# Altium PCB PCB.PcbDoc (part 2 of 2)
Units mm, origin at the board's own origin, x right, y up, seen from the top; angles counter-clockwise.
Board outline 56.6 x 58.94 mm, 4 copper layers (Top Layer, MiddleTop Layer, MiddleBottom Layer, Bottom Layer), stack 0.603 mm thick; 178 components, 110 nets, 595 pads, 660 vias.
Unrouted connection lines stored in the file: 2.
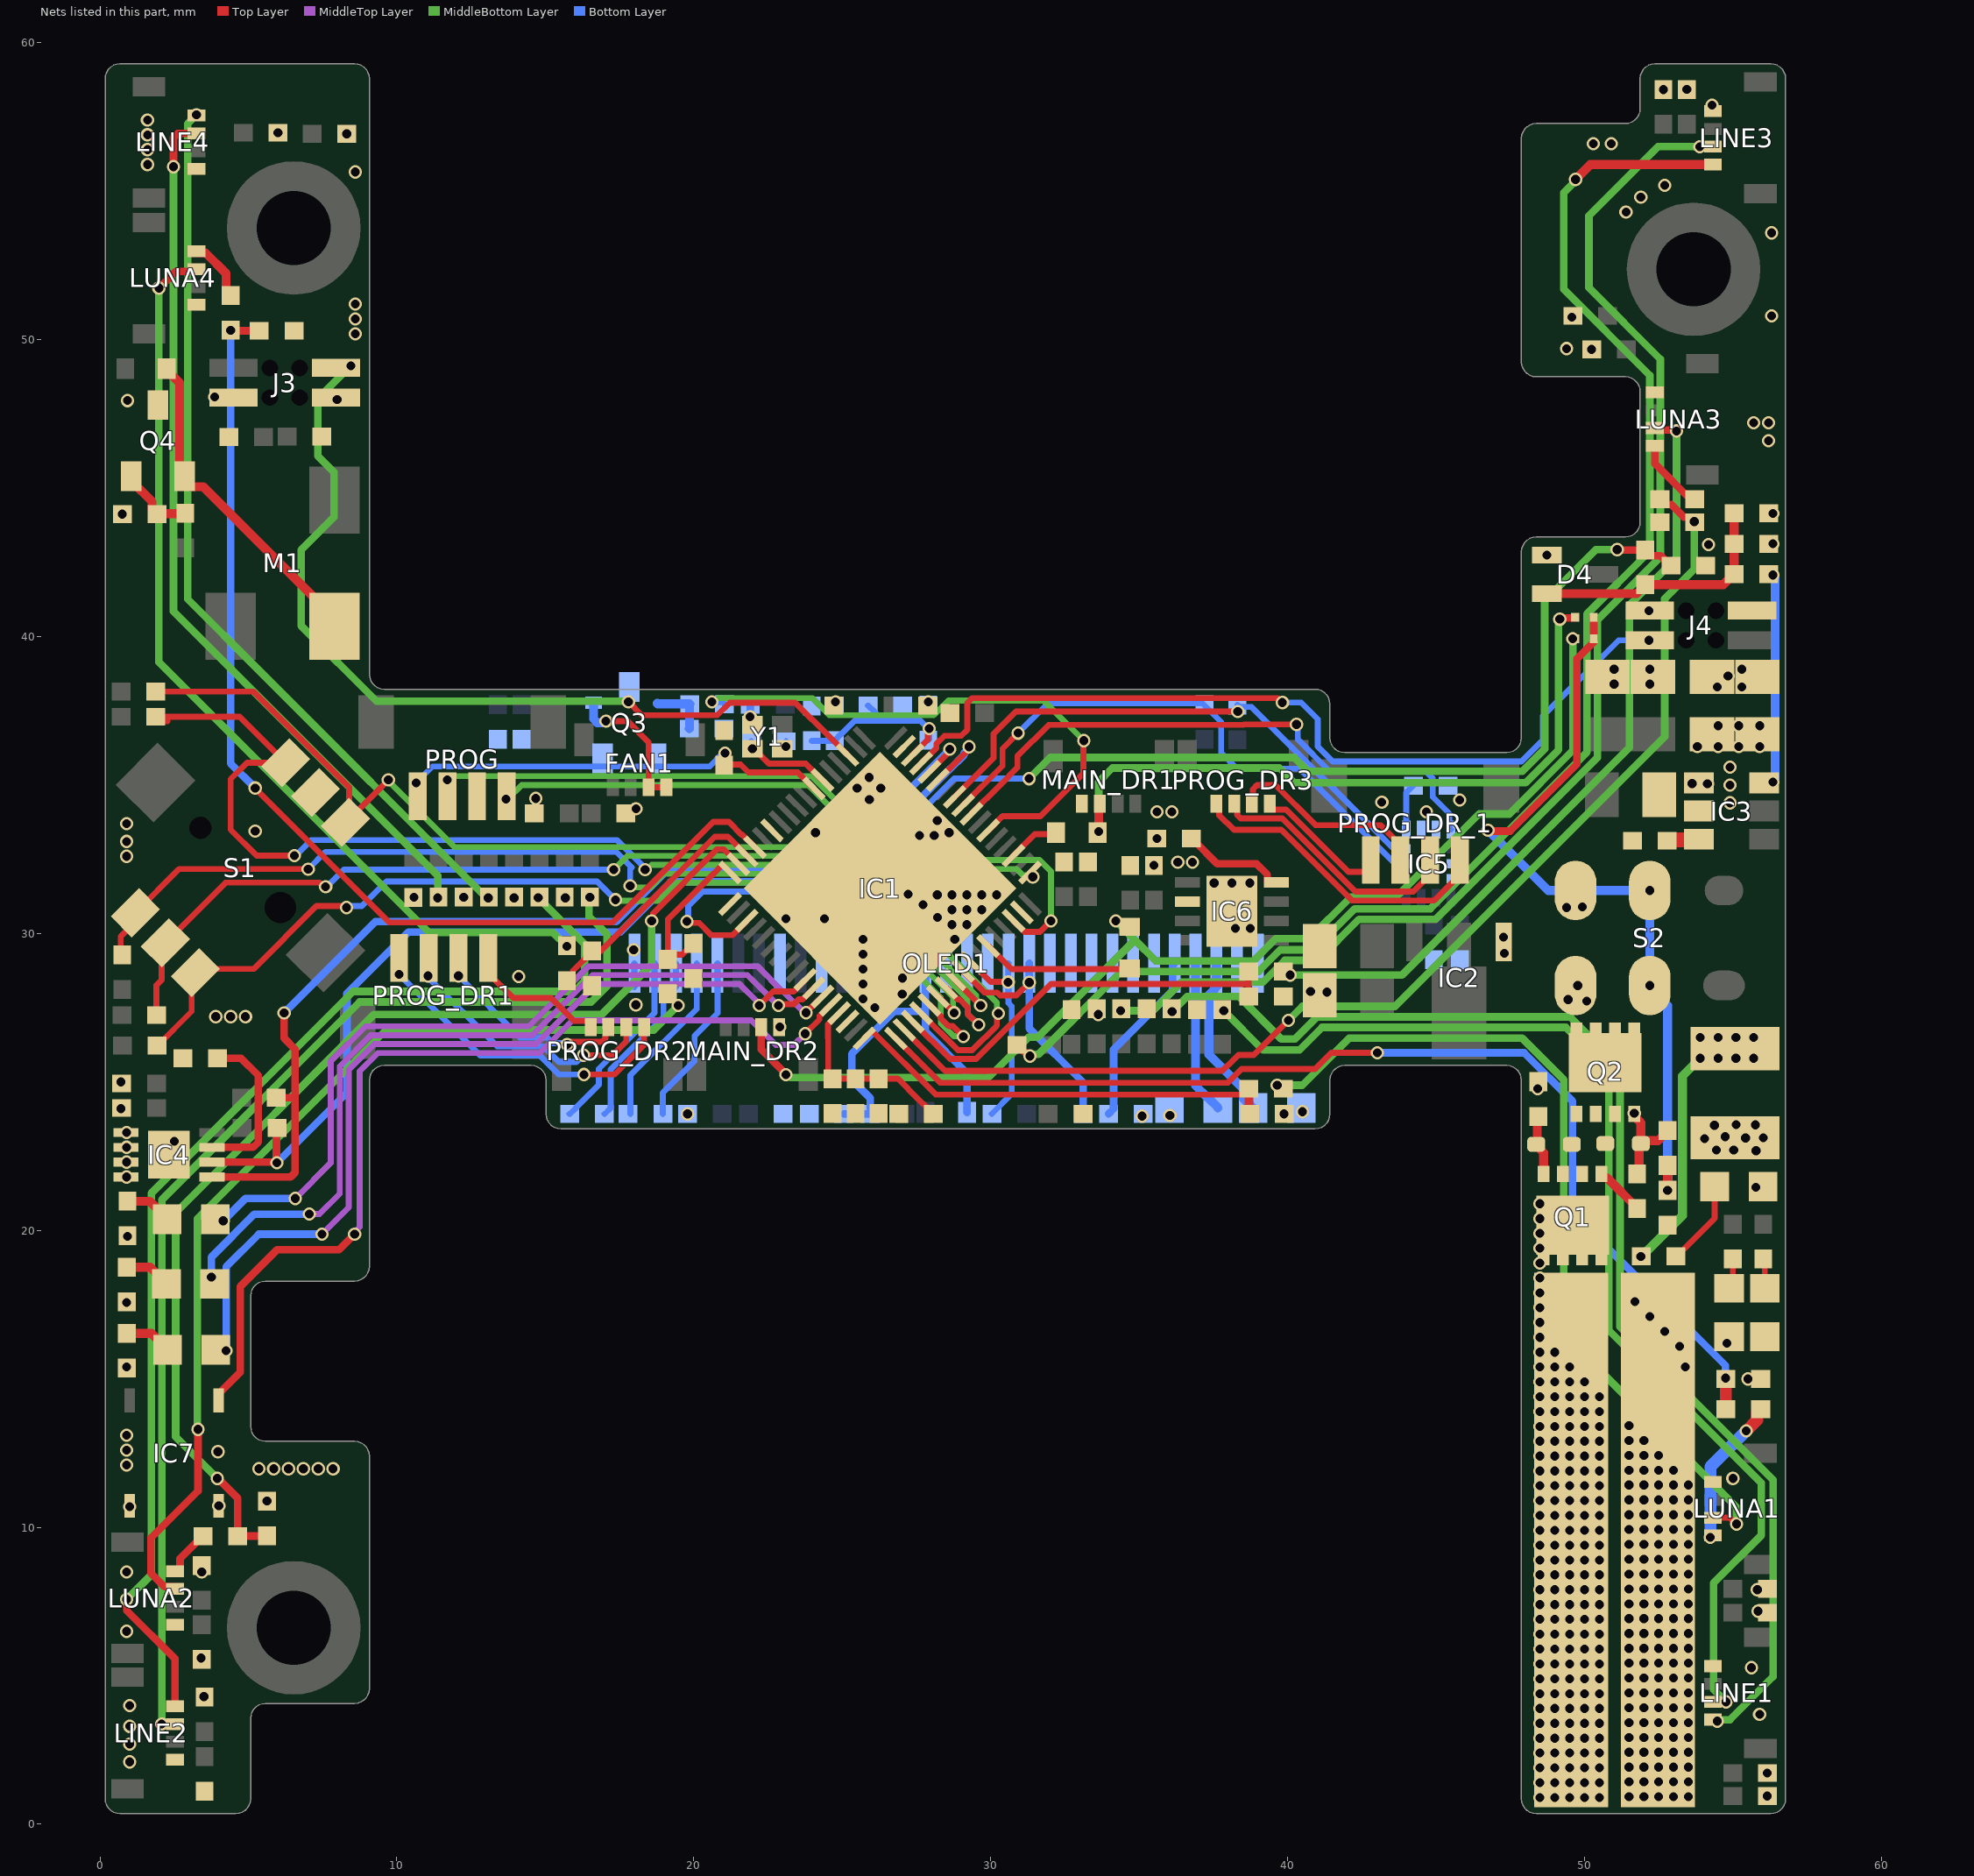
[diagram p4: the nets of this part, all layers, seen from the top]

## Via types
v1: diameter 0.45, hole 0.3, Top Layer to Bottom Layer, tented both sides, 658 vias
v2: diameter 0.6, hole 0.3, Top Layer to Bottom Layer, tented both sides, 1 vias
v3: diameter 0.5, hole 0.3, Top Layer to Bottom Layer, tented both sides, 1 vias

## Nets (pads, with @x,y where several pads share a name; then routed paths per layer and width w, separated by ;. In a path a pad name is that pad's centre, name@x,y a point inside that pad or via, vN(x,y) a via of type N, cw(c..) or ccw(c..) an arc to the next point about the centre after c; other vN are vias at no path point) (continued)
CLK2: C22.1 IC1.6 Y1.3 | length 3.1
  Top Layer w0.2: v1(21.975,36.225) 22.025,36.225 22.525,35.725 23.772,35.725 IC1.6@24.33,35.167
  Bottom Layer w0.2: C22.1@21.941,36.475 21.975,36.441 v1(21.975,36.225)
DR1_EN_MCU: D9.2 IC1.46 | length 5.1
  Top Layer w0.2: IC1.46@29.917,29.58 30.697,28.8 D9.2@34.675,28.8
DR2_EN_MCU: D10.2 IC1.54 | length 1.8
  Top Layer w0.2: IC1.54@30.765,32.621 31.488,33.344 32.131,33.344 D10.2@32.2,33.413
FAN_EGND: D3.2 FAN1.1 FAN1.2 Q3.3 | length 4.7
  Top Layer w0.2: v1(17.043,37.153) 17.772,37.153 18.475,36.45 FAN1.2@18.475,34.925 FAN1.1@19.075,34.925
  Bottom Layer w0.3: D3.2@16.625,37.775 16.625,37.225 16.75,37.1 v1@16.875,37.1
FAN_PWM: IC1.57 R18.2 | length 18.9
  Top Layer w0.2: IC1.57@29.917,33.47 30.398,33.951 31.676,33.951 33.125,35.4 33.125,36.487 v1(33.134,36.496)
  MiddleBottom Layer w0.2: 20.801,37.93 23.989,37.93 24.564,37.355 28.086,37.355 28.581,37.85 31.78,37.85 v1(33.134,36.496)
  Bottom Layer w0.2: v1(20.608,37.805) 20.954,37.805 R18.2@21.034,37.725
GND: C1.2 C2.2 C5.2 C6.2 C7.2 C8.2 C10.2 C11.2 C12.2 C13.2 C14.2 C16.2 C17.2 C18.2 C19.2 C21.2 C22.2 C23.2 C24.2 C25A.2 C25B.2 C25C.2 C25D.2 C26.2 C27.2 C28.1 C30.2 C31.2 C32.2 C34.2 C35A.2 C35B.2 C35C.2 C35D.2 C35E.2 C35F.2 C35G.2 C35H.2 C36.2 C37.2 C38.2 C39.2 C40.2 C41.2 C42.2 C43.2 C44.2 C45.2 C46.2 C49.2 C50.2 C52.2 C53.2 C54.2 C55.2 C56.2 C57.2 C58.2 C59.2 C60.2 C61.2 C62.2 C63.2 C64.2 C65.2 C66.2 C67.2 C68.2 C69.2 C70A.2 C70B.2 C70C.2 C70D.2 D4.1 D_3.3V.2 D_5V.2 D_VCC.2 GND.1 IC1.12 IC1.18 IC1.32 IC1.50 IC1.67 IC1.69 IC2.1 IC3.4 IC4.1 IC4.2 IC4.3 IC4.4 IC4.9 IC5.2 IC5.3 IC5.6 IC5.7 IC6.2 IC6.9 IC7.6 IC7.8 J3.3 J3.4 J4.3 J4.4 LINE1.4 LINE2.4 LINE3.4 LINE4.4 LUNA1.4 LUNA2.4 LUNA3.4 LUNA4.4 MAIN_DR1.4 MAIN_DR2.4 OLED1.1 OLED1.8 OLED1.10 OLED1.12 OLED1.13 OLED1.15 OLED1.16 OLED1.17 OLED1.21 OLED1.22 OLED1.23 OLED1.24 OLED1.25 OLED1.29 OLED1.30 PROG.3 Q3.2 Q4.3 R1.2 R2.1 R7.1 R9.1 R12.1 R17.1 R19.1 R21.1 R29.1 R35.1 R36.1 R37.1 S1.5 S2.3 S2.6 Y1.2 Y1.4 | length 1.5
  Top Layer w0.2: C70C.2@16.575,28.223 C70C.2@16.575,28.241 ; C31.2@21,36.875 21,36.859 C31.2@21.025,36.834
  Bottom Layer w0.2: OLED1.1@18,28.2 OLED1.1@18,29 ; v1(23.1,36.3) 23.109,36.309 C22.2@23.109,36.475
  Bottom Layer w0.254: v1(21.897,37.3) 21.902,37.305 21.902,37.695 C21.2@21.907,37.7
  other v1: 51.5,0.925 52,0.925 52.5,0.925 53,0.925 53.5,0.925 56.159,0.95 51.5,1.425 52,1.425 52.5,1.425 53,1.425 53.5,1.425 56.159,1.725 51.5,1.925 52,1.925 52.5,1.925 53,1.925 53.5,1.925 1,2.1 51.5,2.425 52,2.425 52.5,2.425 53,2.425 53.5,2.425 1,2.7 51.5,2.925 52,2.925 52.5,2.925 53,2.925 53.5,2.925 1,3.3 51.5,3.425 52,3.425 52.5,3.425 53,3.425 53.5,3.425 55.9,3.7 51.5,3.925 52,3.925 52.5,3.925 53,3.925 53.5,3.925 1,4 3.5,4.3 51.5,4.425 52,4.425 52.5,4.425 53,4.425 53.5,4.425 51.5,4.925 52,4.925 52.5,4.925 53,4.925 53.5,4.925 55.625,5.275 51.5,5.425 52,5.425 52.5,5.425 53,5.425 53.5,5.425 3.4,5.6 51.5,5.925 52,5.925 52.5,5.925 53,5.925 53.5,5.925 51.5,6.425 52,6.425 52.5,6.425 53,6.425 53.5,6.425 0.9,6.5 51.5,6.925 52,6.925 52.5,6.925 53,6.925 53.5,6.925 55.85,7.175 51.5,7.425 52,7.425 52.5,7.425 53,7.425 53.5,7.425 55.825,7.9 51.5,7.925 52,7.925 52.5,7.925 53,7.925 53.5,7.925 51.5,8.425 52,8.425 52.5,8.425 53,8.425 53.5,8.425 0.9,8.5 3.425,8.5 51.5,8.925 52,8.925 52.5,8.925 53,8.925 53.5,8.925 51.5,9.425 52,9.425 52.5,9.425 53,9.425 53.5,9.425 51.5,9.925 52,9.925 52.5,9.925 53,9.925 53.5,9.925 51.5,10.425 52,10.425 52.5,10.425 53,10.425 53.5,10.425 1,10.7 4,10.725 5.625,10.884 51.5,10.925 52,10.925 52.5,10.925 53,10.925 53.5,10.925 51.5,11.425 52,11.425 52.5,11.425 53,11.425 53.5,11.425 55,11.65 51.5,11.925 52,11.925 52.5,11.925 53,11.925 5.35,11.975 5.85,11.975 6.35,11.975 6.85,11.975 7.35,11.975 7.85,11.975 0.9,12.1 51.5,12.425 52,12.425 52.5,12.425 3.975,12.55 0.9,12.6 51.5,12.925 52,12.925 0.9,13.1 51.5,13.425 55.508,15 0.9,15.4 53.4,15.4 53.2,16.1 54.8,16.2 52.7,16.6 52.2,17.1 0.9,17.575 51.7,17.6 0.925,19.8 55.775,21.45 0.9,21.8 0.9,22.3 55.78,22.685 54.444,22.705 55.028,22.708 0.9,22.8 2.5,23 54.046,23.087 55.427,23.113 56.025,23.125 54.734,23.156 0.9,23.3 54.378,23.541 55.76,23.554 55.104,23.567 35.1,23.85 36.035,23.871 19.791,23.925 39.884,23.925 40.5,24 0.7,24.1 48.425,24.775 0.7,25 22.9,26.85 3.9,27.2 4.4,27.2 4.9,27.2 33.626,27.274 26.1,27.5 18.05,27.6 50.075,27.725 49.45,27.775 25.7,27.8 27.023,27.96 41.325,28.025 40.775,28.05 49.775,28.25 25.7,28.3 27.025,28.5 14.1,28.55 25.7,28.8 25.7,29.3 47.299,29.333 17.975,29.45 25.7,29.8 28.79,29.803 47.274,29.875 38.238,30.175 38.747,30.175 28.7,30.3 29.2,30.3 23.1,30.5 24.4,30.5 28.212,30.541 28.7,30.8 29.2,30.8 29.7,30.8 49.4,30.875 49.925,30.9 27.725,30.975 13.95,31.2 15.675,31.2 10.575,31.225 12.25,31.225 28.2,31.3 28.7,31.3 29.2,31.3 29.7,31.3 30.2,31.3 27.222,31.325 37.525,31.7 38.125,31.7 38.725,31.7 35.5,32.3 36.3,32.4 36.8,32.4 0.9,32.6 0.9,33.1 35.6,33.2 27.6,33.3 28.1,33.3 24.1,33.4 28.6,33.4 5.225,33.45 0.9,33.7 28.2,33.8 35.6,34.1 36.1,34.1 44.675,34.1 18.053,34.2 43.175,34.425 45.8,34.5 25.916,34.516 14.675,34.55 25.5,34.9 26.3,34.9 53.625,35.05 54.141,35.045 25.91,35.258 24.775,37.805 27.9,37.805 54.475,38.3 55.3,38.3 51,38.4 52.2,38.4 54.836,38.673 51,38.9 52.2,38.9 55.3,38.9 52.175,40.875 48.732,42.745 54.177,43.1 56.35,43.125 0.75,44.125 56.35,44.15 56.2,46.6 55.7,47.2 56.2,47.2 0.925,47.95 7.987,47.988 3.867,48.074 50.241,49.675 49.4,49.7 8.6,50.2 8.6,50.7 49.571,50.755 56.3,50.8 8.6,51.2 56.3,53.6 51.4,54.3 51.9,54.8 52.7,55.2 8.6,55.65 1.6,55.9 1.6,56.4 50.3,56.6 50.9,56.6 1.6,56.9 8.31,56.933 5.996,56.971 1.6,57.4 54.3,57.9 52.657,58.424 53.45,58.428
I2C_EPROM_SCL: IC1.63 IC4.6 R10.1 | length 36
  Top Layer w0.2: IC1.63@28.22,35.167 29.223,36.17 29.223,36.24 v1(29.27,36.288)
  Top Layer w0.254: IC4.6@3.775,22.3 5.934,22.3 v1(5.957,22.277) ; v1@5.942,22.3 R10.1@5.942,23.45
  Bottom Layer w0.254: v1(5.957,22.277) 8.319,24.638 8.319,27.981 10.387,30.05 17.529,30.05 19.219,31.74 24.828,31.74 28.631,35.543 28.634,35.543 29.102,36.011 29.102,36.067 29.27,36.235 v1(29.27,36.288)
I2C_EPROM_SDA: IC1.64 IC4.5 R11.1 | length 36.2
  Top Layer w0.2: IC1.64@27.937,35.449 28.577,36.09 28.577,36.161 v1(28.625,36.208)
  Top Layer w0.254: IC4.5@3.775,21.8 6.424,21.8 6.572,21.949 6.572,24.475 ; R11.1@5.934,24.475 6.572,24.475 ; v1(6.2,27.325) 6.2,26.475 6.572,26.103 6.572,24.475
  Bottom Layer w0.254: v1(6.2,27.325) 9.279,30.404 17.382,30.404 19.078,32.1 24.517,32.1 v1(28.625,36.208)
I2C_OLED_SCL: IC1.44 OLED1.18 R31.1 | length 6.9
  Top Layer w0.2: IC1.44@29.351,29.015 29.993,28.372 30.58,28.372 v1(30.589,28.363)
  Bottom Layer w0.2: R31.1@30.041,23.925 30.707,24.591 30.707,27.553 30.6,27.66 30.6,28.374 30.593,28.38 30.594,28.994 OLED1.18@30.6,29 ; v1(30.589,28.363) OLED1.18@30.6,28.363
I2C_OLED_SDA: IC1.43 OLED1.19 OLED1.20 R30.1 | length 8.6
  Top Layer w0.2: IC1.43@29.068,28.732 29.785,28.015 30.21,28.015 30.312,27.913 30.863,27.913 v1(31.3,28.35)
  Bottom Layer w0.254: OLED1.19@31.3,29 v1(31.3,28.35) 31.3,26.8 33.109,24.991 R30.1@33.109,23.925
IMU_INT1_MCU: IC1.59 IC5.4 | length 20
  Top Layer w0.2: IC1.59@29.351,34.035 30.332,35.016 30.9,35.584 30.9,35.975 31.951,37.026 38.509,37.026 38.527,37.044 v1(40.3,37.044)
  Bottom Layer w0.2: v1(40.3,37.044) 40.348,36.996 40.348,36.529 41.384,35.494 44.623,35.494 44.892,35.224 44.892,34.592 45.45,34.034 45.45,33.55 IC5.4@45.5,33.5
IMU_SCL: IC1.60 IC5.13 R16.1 | length 19.4
  Top Layer w0.2: IC1.60@29.068,34.318 30.4,35.65 30.4,36.225 v1(30.925,36.75)
  Bottom Layer w0.2: v1(30.925,36.75) 31.925,37.75 37.142,37.75 37.763,37.128 37.763,36.09 38.304,35.55 40.417,35.55 43.567,32.4 43.8,32.4 IC5.13@43.85,32.35
IMU_SDA: IC1.61 IC5.14 R15.1 | length 19
  Top Layer w0.2: IC1.61@28.785,34.601 30.1,35.916 30.1,36.725 30.855,37.48 34.97,37.48 34.975,37.476 v1(38.323,37.476)
  Bottom Layer w0.2: v1(38.323,37.476) 38.312,37.487 R15.1@38.312,37.697 38.378,37.631 38.794,37.631 43.525,32.9 43.8,32.9 IC5.14@43.85,32.85
JOY_CENTER: IC1.38 R26.2 S1.6 | length 38.8
  Top Layer w0.2: R26.2@1.875,38.15 5.164,38.15 8.391,34.923 S1.6@8.391,33.941 ; S1.6@8.267,33.739 8.391,33.863 S1.6@8.391,33.941 ; v1(9.715,35.178) 8.478,33.941 S1.6@8.391,33.941 ; IC1.38@27.654,27.318 28.897,26.075 29.381,26.075 30.209,26.904 30.209,27.263 v1(30.257,27.31)
  MiddleBottom Layer w0.2: v1(9.715,35.178) 9.715,35.167 9.834,35.048 9.834,35.016 11.937,32.913 24.948,32.913 27.57,30.29 27.587,30.29 30.209,27.668 30.209,27.358 v1(30.257,27.31)
JOY_DOWN: IC1.42 R24.2 S1.2 | length 34.8
  Top Layer w0.2: R24.2@1.902,27.25 1.902,28.26 2.08,28.438 2.08,29.567 S1.2@2.204,29.691 4.226,31.713 7.395,31.713 7.533,31.575 v1(7.6,31.575) ; IC1.42@28.785,28.449 29.658,27.577 v1(29.664,27.577)
  MiddleBottom Layer w0.2: v1(17.3,32.15) 17.763,32.613 24.823,32.613 29.514,27.922 29.514,27.794 29.664,27.644 v1(29.664,27.577)
  Bottom Layer w0.2: v1(7.6,31.575) 7.638,31.575 8.213,32.15 v1(17.3,32.15)
JOY_LEFT: IC1.39 R23.1 S1.3 | length 35
  Top Layer w0.2: R23.1@1.918,26.225 1.936,26.225 3.087,27.377 3.087,28.559 S1.3@3.211,28.683 3.335,28.807 5.173,28.807 7.29,30.923 8.252,30.923 v1(8.3,30.875) ; IC1.39@27.937,27.601 28.318,27.219 28.318,27.144 28.582,26.88 28.728,26.88 v1(29.078,26.53)
  MiddleBottom Layer w0.2: v1(17.363,31.137) 17.4,31.1 18.825,31.1 19.438,31.713 24.451,31.713 28.318,27.845 28.318,26.981 28.753,26.547 29.061,26.547 v1(29.078,26.53)
  Bottom Layer w0.2: v1(8.3,30.875) 8.348,30.923 8.823,30.923 9.652,31.752 16.748,31.752 v1(17.363,31.137)
JOY_RIGHT: IC1.41 R27.2 S1.4 | length 39.5
  Top Layer w0.2: 2.275,37.15 2.034,37.15 R27.2@1.884,37.3 4.706,37.3 S1.4@6.252,35.754 4.954,35.754 4.4,35.2 4.4,33.5 5.275,32.625 v1(6.55,32.625) ; IC1.41@28.502,28.166 28.889,27.78 28.955,27.78 29.218,27.517 29.218,27.301 v1(29.594,26.925)
  MiddleBottom Layer w0.2: 18.579,32.313 24.699,32.313 29.214,27.798 29.214,27.521 29.218,27.517 29.218,27.301 v1(29.594,26.925)
  Bottom Layer w0.2: v1(6.55,32.625) 6.593,32.625 7.117,33.15 17.411,33.15 18.362,32.199 v1(18.362,32.15)
JOY_UP: IC1.40 R25.2 S1.1 | length 34.2
  Top Layer w0.2: R25.2@0.7,29.268 0.7,29.904 1.196,30.4 S1.1@1.196,30.698 2.673,32.175 7,32.175 v1(7.013,32.163) ; IC1.40@28.22,27.883 28.768,27.335 v1(28.768,27.33)
  MiddleBottom Layer w0.2: v1(17.86,31.602) 17.907,31.554 18.28,31.554 18.285,31.55 18.525,31.55 18.988,32.013 24.575,32.013 28.733,27.855 28.733,27.365 v1(28.768,27.33)
  Bottom Layer w0.2: v1(7.013,32.163) 7.6,32.75 17.386,32.75 17.75,32.386 17.912,32.225 17.86,32.173 v1(17.86,31.602)
"LED BLUE": D6.1 IC1.29 | length 26.6
  Top Layer w0.2: v1(23.782,27.335) IC1.29@24.33,27.883
  MiddleTop Layer w0.2: v1(6.575,21.075) 7.775,22.275 7.775,25.7 8.95,26.875 14.439,26.875 16.464,28.9 22.145,28.9 23.02,28.025 23.036,28.025 23.727,27.335 v1(23.782,27.335)
  Bottom Layer w0.254: v1(4.15,20.325) 4.9,21.075 v1(6.575,21.075)
"LED GREEN": D8.1 IC1.28 | length 28.1
  Top Layer w0.2: v1(22.85,27.575) 22.898,27.623 23.365,27.623 23.527,27.785 23.666,27.785 IC1.28@24.048,28.166
  MiddleTop Layer w0.2: v1(7.05,20.55) 7.052,20.552 7.391,20.552 8.075,21.236 8.075,25.532 9.118,26.575 14.563,26.575 16.588,28.6 21.811,28.6 22.836,27.575 v1(22.85,27.575)
  Bottom Layer w0.254: v1(3.752,18.425) 3.75,18.427 3.75,19.1 5.2,20.55 v1(7.05,20.55)
"LED RED": D7.1 IC1.27 | length 29.7
  Top Layer w0.2: v1(22.2,27.575) 22.674,28.049 23.364,28.049 IC1.27@23.765,28.449
  MiddleTop Layer w0.2: v1(7.475,19.875) 8.375,20.775 8.375,25.408 9.242,26.275 14.687,26.275 16.712,28.3 21.543,28.3 22.2,27.643 v1(22.2,27.575)
  Bottom Layer w0.254: v1(4.248,15.95) 4.248,18.773 5.35,19.875 v1(7.475,19.875)
LINE1A: LINE1.2 R5H.1 | length 39.1
  Top Layer w0.2: LINE1.2@54.325,4.125 v1(54.769,4.125)
  MiddleBottom Layer w0.254: v1(37.85,27.4) 39.175,26.075 40.4,26.075 41.162,26.837 49.372,26.837 50.825,25.384 50.825,16.625 55.954,11.496 55.954,9.729 54.35,8.125 54.35,4.544 v1(54.769,4.125)
LINE1B: LINE1.1 R5G.1 | length 42.1
  MiddleBottom Layer w0.254: v1(36.112,27.373) 36.616,27.877 38.358,27.877 39.785,26.45 40.25,26.45 40.991,27.191 49.518,27.191 51.198,25.512 51.198,16.753 56.35,11.601 56.35,4.969 54.903,3.522 54.522,3.522 v1(54.475,3.475)
LINE2A: LINE2.1 R5F.1 | length 39.3
  Top Layer w0.254: v1(0.9,7.575) 0.9,7.2 2.525,5.575 LINE2.1@2.525,3.975
  MiddleBottom Layer w0.254: v1(0.9,7.575) 1.727,8.402 1.727,21.252 8.525,28.05 15.975,28.05 16.325,28.4 16.325,29.64 v1(14.757,31.208)
LINE2B: LINE2.2 R5E.1 | length 39.3
  Top Layer w0.254: v1(2.081,3.375) LINE2.2@2.525,3.375
  MiddleBottom Layer w0.254: v1(2.081,3.375) 2.081,21.031 8.746,27.696 16.546,27.696 17.077,28.227 17.077,29.973 16.475,30.575 16.475,31.2 v1(16.5,31.225)
LINE3A: LINE3.1 R5D.1 | length 50
  Top Layer w0.254: R5D.1@30.891,26.25 30.908,26.25 31.285,25.873 v1(31.324,25.873)
  Top Layer w0.3: v1(49.7,55.4) 50.2,55.9 LINE3.1@54.325,55.9
  MiddleBottom Layer w0.254: v1(31.324,25.873) 31.377,25.873 31.436,25.932 31.61,25.932 34.403,28.725 39.025,28.725 39.75,29.45 40.875,29.45 42.26,30.835 44.812,30.835 50.084,36.107 50.084,40.759 52.202,42.877 52.202,48.798 49.3,51.7 49.3,54.947 49.7,55.347 v1(49.7,55.4)
LINE3B: LINE3.2 R5C.1 | length 44.9
  Top Layer w0.254: v1(53.881,56.5) LINE3.2@54.325,56.5
  MiddleBottom Layer w0.254: v1(34.375,27.4) 35.465,27.4 36.436,28.371 39.185,28.371 39.91,29.096 41.022,29.096 42.407,30.481 44.991,30.481 50.438,35.928 50.438,40.563 52.556,42.681 52.556,49.345 50.15,51.751 50.15,54.175 52.475,56.5 v1(53.881,56.5)
LINE4A: LINE4.2 R5B.1 | length 30.1
  Top Layer w0.254: v1(2.473,55.825) 2.475,55.827 2.475,56.801 2.624,56.95 LINE4.2@3.25,56.95
  MiddleBottom Layer w0.254: v1(2.473,55.825) 2.475,55.823 2.475,40.85 11.375,31.95 v1(11.375,31.2)
LINE4B: LINE4.1 R5A.1 | length 30.7
  MiddleBottom Layer w0.254: v1(3.25,57.575) 2.95,57.275 2.95,41.268 5.362,38.856 12.92,31.298 12.924,31.298 13.022,31.2 v1(13.075,31.2)
NetC29_1: C29.1 IC3.6 | length 1.1
  Top Layer w0.5: C29.1@52.784,33.125 52.809,33.15 53.826,33.15 IC3.6@53.851,33.175
NetC29_2: C29.2 IC3.5 L1.2
NetC44_1: C44.1 D4.2 R20.1 R21.2 R22.2 | length 8.6
  Top Layer w0.3: D4.2@48.732,41.445 51.76,41.445 52.046,41.731 R22.2@52.046,41.748 54.672,41.748 55.023,42.1 R20.1@55.041,42.1 C44.1@55.041,43.125 R21.2@55.041,44.15
NetC46_1: C46.1 D5.2 OLED1.14 R28.1 | length 11.8
  Bottom Layer w0.254: C46.1@25.059,23.925 R28.1@25.941,23.925 25.941,24.459 25.325,25.075 25.325,25.95 26.75,27.375 27.8,27.375 ; OLED1.14@27.8,29 27.8,27.375 ; D5.2@29.2,23.975 29.2,25.3 27.8,26.7 27.8,27.375
NetC47_1: C47.1 OLED1.2 | length 6.3
  Bottom Layer w0.2: C47.1@15.816,23.925 15.833,23.925 16.033,24.125 16.033,24.142 16.8,24.909 16.8,25.445 18.679,27.324 18.679,28.979 OLED1.2@18.7,29
NetC47_2: C47.2 OLED1.3 | length 6.1
  Bottom Layer w0.2: C47.2@16.984,23.925 17.002,23.925 17.202,24.125 17.202,25.422 18.979,27.199 18.979,27.786 19.242,28.05 19.25,28.05 19.4,28.2 OLED1.3@19.4,29
NetC48_1: C48.1 OLED1.4 | length 6
  Bottom Layer w0.2: C48.1@17.866,23.925 17.866,25.227 20.1,27.461 OLED1.4@20.1,29
NetC48_2: C48.2 OLED1.5 | length 5.8
  Bottom Layer w0.2: C48.2@18.959,23.925 18.959,24.634 20.026,25.701 20.026,26.543 20.8,27.318 OLED1.5@20.8,29
NetC49_1: C49.1 OLED1.27 | length 5.2
  Bottom Layer w0.3: OLED1.27@36.9,29 36.9,24.876 37.301,24.475 37.318,24.475 37.651,24.142 C49.1@37.651,24.125
NetC50_1: C50.1 OLED1.28 | length 5.6
  Bottom Layer w0.3: OLED1.28@37.6,29 37.6,28.2 37.526,28.126 37.526,28.101 37.35,27.925 37.35,25.926 38.505,24.771 38.505,24.458 C50.1@38.837,24.125
NetD1_1: D1.1 Q1.4 R2.2 | length 2.1
  Top Layer w0.3: D1.1@48.412,22.937 D1.1@48.375,22.9 D1.1@48.425,22.9 ; D1.1@48.412,22.962 48.412,23.803 R2.2@48.45,23.841 ; D1.1@48.425,22.925 48.525,22.825 48.525,22.711 48.625,22.611 Q1.4@48.625,21.9
NetD2_1: D2.1 Q2.4 R3.1 R4.2 | length 3.3
  Top Layer w0.3: v1(51.675,23.95) Q2.4@51.675,23.925 51.675,23.85 51.9,23.625 D2.1@51.9,22.925 ; R3.1@51.775,21.909 51.837,21.972 51.837,22.863 D2.1@51.9,22.925 ; R4.2@52.8,23.359 52.8,23.342 52.483,23.025 52,23.025 D2.1@51.9,22.925
NetD6_2: D6.2 R35.2 | length 1.6
  Top Layer w0.3: R35.2@0.925,20.984 1.67,20.984 2.262,20.392 D6.2@2.262,20.375
NetD7_2: D7.2 R36.2 | length 1.6
  Top Layer w0.3: R36.2@0.9,16.534 1.733,16.534 2.275,15.992 D7.2@2.275,15.975
NetD8_2: D8.2 R37.2 | length 1.6
  Top Layer w0.3: R37.2@0.9,18.759 1.695,18.759 2.237,18.217 D8.2@2.237,18.2
NetD11_2: D11.2 M1.1 Q4.2 | length 11.3
  Top Layer w0.3: D11.2@2.25,49.025 2.25,48.975 2.686,48.539 2.686,45.564 Q4.2@2.85,45.4 2.85,45.25 3.05,45.05 3.475,45.05 7.9,40.625 M1.1@7.9,40.35
NetD_3.3V_1: D_3.3V.1 R34.1 | length 1
  Top Layer w0.2: D_3.3V.1@54.875,18.05 55,18.175 R34.1@55,19.041
NetD_5V_1: D_5V.1 R33.1 | length 1
  Top Layer w0.2: R33.1@56.025,19.041 56.075,18.991 D_5V.1@56.075,18.05
NetD_VCC_1: D_VCC.1 R32.1 | length 2.9
  Top Layer w0.2: R32.1@53.084,19.125 53.102,19.125 54.387,20.411 D_VCC.1@54.387,21.475
NetIC4_7: IC4.7 R9.2 | length 5.5
  Top Layer w0.254: IC4.7@3.775,22.8 5.159,22.8 5.335,22.977 5.335,25.215 4.75,25.8 R9.2@3.959,25.8
NetIC5_1: IC5.1 R12.2 | length 1.6
  Bottom Layer w0.2: IC5.1@44,33.5 44,34.752 44.223,34.975 R12.2@44.241,34.975
NetIC6_8: IC6.8 R19.2 | length 3.5
  Top Layer w0.245: R19.2@36.834,33.142 37.627,32.35 38.957,32.35 39.322,31.985 39.322,31.777 39.375,31.725 IC6.8@39.625,31.725
NetOLED1_26: OLED1.26 R29.2 | length 6
  Bottom Layer w0.254: R29.2@33.966,23.925 33.969,23.925 34.142,24.098 34.142,26.092 36.127,28.077 36.127,28.927 OLED1.26@36.2,29
NetPROG_DR1_1: PROG_DR1.1 PROG_DR2.1 | length 4.8
  Top Layer w0.2: PROG_DR1.1@13.075,29.175 13.075,28.675 13.925,27.825 15.2,27.825 15.975,27.05 16.425,27.05 16.525,26.95 PROG_DR2.1@16.525,26.85
NetPROG_DR1_2: PROG_DR1.2 PROG_DR2.2 | length 6.4
  Top Layer w0.2: v1(15.735,26.263) 15.803,26.263 15.891,26.35 16.908,26.35 17.025,26.467 17.025,26.75 PROG_DR2.2@17.125,26.85
  Bottom Layer w0.2: v1(12.075,28.573) 14.15,26.498 15.059,26.498 15.247,26.31 15.688,26.31 v1(15.735,26.263)
NetPROG_DR1_3: PROG_DR1.3 PROG_DR2.3 | length 8.7
  Top Layer w0.2: v1(16.288,25.9) 17.263,25.9 17.725,26.362 PROG_DR2.3@17.725,26.85
  Bottom Layer w0.2: v1(11.05,28.573) 11.05,28.525 13.377,26.198 14.935,26.198 15.458,25.675 16.046,25.675 16.271,25.9 v1(16.288,25.9)
NetPROG_DR1_4: PROG_DR1.4 PROG_DR2.4 | length 10.7
  Top Layer w0.2: v1(16.302,25.25) 17.327,25.25 18.325,26.249 PROG_DR2.4@18.325,26.85
  Bottom Layer w0.2: v1(10.075,28.625) 12.802,25.898 14.81,25.898 15.458,25.25 v1(16.302,25.25)
NetPROG_DR3_1: PROG_DR3.1 PROG_DR_1.1 | length 4.7
  Top Layer w0.2: PROG_DR3.1@39.4,34.375 39.4,34.275 39.5,34.175 39.949,34.175 42.049,32.075 42.6,32.075 42.8,32.275 PROG_DR_1.1@42.8,32.475
NetPROG_DR3_2: PROG_DR3.2 PROG_DR_1.2 | length 6.9
  Top Layer w0.2: PROG_DR3.2@38.8,34.375 38.829,34.404 38.829,34.858 38.971,35 39.592,35 40.942,33.65 43.125,33.65 43.8,32.975 PROG_DR_1.2@43.8,32.475
NetPROG_DR3_3: PROG_DR3.3 PROG_DR_1.3 | length 8.7
  Top Layer w0.2: PROG_DR3.3@38.2,34.375 38.3,34.275 38.3,33.992 38.417,33.875 39.825,33.875 42.288,31.412 44.237,31.412 44.8,31.975 PROG_DR_1.3@44.8,32.475
NetPROG_DR3_4: PROG_DR3.4 PROG_DR_1.4 | length 10.6
  Top Layer w0.2: PROG_DR3.4@37.6,34.375 37.7,34.275 37.7,33.984 38.195,33.49 39.786,33.49 42.164,31.112 44.937,31.112 45.8,31.975 PROG_DR_1.4@45.8,32.475
NetQ1_5_8: Q1.5_8 VCC.1
  other v1: 48.5,0.9 49,0.9 49.5,0.9 50,0.9 50.5,0.9 48.5,1.4 49,1.4 49.5,1.4 50,1.4 50.5,1.4 48.5,1.9 49,1.9 49.5,1.9 50,1.9 50.5,1.9 48.5,2.4 49,2.4 49.5,2.4 50,2.4 50.5,2.4 48.5,2.9 49,2.9 49.5,2.9 50,2.9 50.5,2.9 48.5,3.4 49,3.4 49.5,3.4 50,3.4 50.5,3.4 48.5,3.9 49,3.9 49.5,3.9 50,3.9 50.5,3.9 48.5,4.4 49,4.4 49.5,4.4 50,4.4 50.5,4.4 48.5,4.9 49,4.9 49.5,4.9 50,4.9 50.5,4.9 48.5,5.4 49,5.4 49.5,5.4 50,5.4 50.5,5.4 48.5,5.9 49,5.9 49.5,5.9 50,5.9 50.5,5.9 48.5,6.4 49,6.4 49.5,6.4 50,6.4 50.5,6.4 48.5,6.9 49,6.9 49.5,6.9 50,6.9 50.5,6.9 48.5,7.4 49,7.4 49.5,7.4 50,7.4 50.5,7.4 48.5,7.9 49,7.9 49.5,7.9 50,7.9 50.5,7.9 48.5,8.4 49,8.4 49.5,8.4 50,8.4 50.5,8.4 48.5,8.9 49,8.9 49.5,8.9 50,8.9 50.5,8.9 48.5,9.4 49,9.4 49.5,9.4 50,9.4 50.5,9.4 48.5,9.9 49,9.9 49.5,9.9 50,9.9 50.5,9.9 48.5,10.4 49,10.4 49.5,10.4 50,10.4 50.5,10.4 48.5,10.9 49,10.9 49.5,10.9 50,10.9 50.5,10.9 48.5,11.4 49,11.4 49.5,11.4 50,11.4 50.5,11.4 48.5,11.9 49,11.9 49.5,11.9 50,11.9 50.5,11.9 48.5,12.4 49,12.4 49.5,12.4 50,12.4 50.5,12.4 48.5,12.9 49,12.9 49.5,12.9 50,12.9 50.5,12.9 48.5,13.4 49,13.4 49.5,13.4 50,13.4 50.5,13.4 48.5,13.9 49,13.9 49.5,13.9 50,13.9 50.5,13.9 48.5,14.4 49,14.4 49.5,14.4 50,14.4 50.5,14.4 48.5,14.9 49,14.9 49.5,14.9 50,14.9 48.5,15.4 49,15.4 49.5,15.4 48.5,15.9 49,15.9 48.5,16.4 48.5,16.9 48.5,17.4 48.5,17.9 48.5,18.4 48.5,18.9 48.5,19.4 48.5,19.9 48.5,20.4 48.5,20.9
NetQ3_1: Q3.1 R17.2 R18.1 | length 1.9
  Bottom Layer w0.3: 18.775,37.75 18.788,37.738 19.853,37.738 R18.1@19.866,37.725 19.858,37.717 19.858,36.908 R17.2@19.85,36.9
NetQ4_1: Q4.1 R6.2 R7.2 | length 2.4
  Top Layer w0.3: Q4.1@1.05,45.4 1.05,45.25 1.751,44.549 R7.2@1.751,44.275 ; R7.2@1.918,44.125 1.936,44.142 2.858,44.142 R6.2@2.875,44.159
NRST: C31.1 IC1.7 PROG.1 | length 15
  Top Layer w0.2: v1(10.65,35.075) 10.65,34.675 PROG.1@10.7,34.625 ; C31.1@21.025,35.666 C31.1@21.05,35.691 ; v1(21.05,36.075) C31.1@21.05,35.691 ; IC1.7@24.048,34.884 23.506,35.425 21.842,35.425 21.576,35.691 C31.1@21.05,35.691
  Bottom Layer w0.2: v1(10.65,35.075) 11.2,35.625 20.532,35.625 20.982,36.075 v1(21.05,36.075)
Power_enable_buttor_output: C30.1 J1.1 J2.1 R4.1 S2.2 S2.5 | length 26.6
  Top Layer w0.254: v1(46.749,33.48) 46.779,33.45 47.496,33.45 49.75,35.704 49.75,39.258 50.302,39.81 J2.1@50.302,39.925 ; J1.1@50.297,40.638 J1.1@50.299,40.636 ; J2.1@50.313,39.925 J1.1@50.313,40.65
  Top Layer w0.3: v1(52.8,21.35) R4.1@52.8,22.191
  Bottom Layer w0.3: v1(46.749,33.48) 48.779,31.45 v1(52.2,31.45) v1(52.2,28.25) 52.2,28.174 52.8,27.574 v1(52.8,21.35)
PWR_ENABLE_DRIVER1: D10.1 J1.2 MAIN_DR1.3 | length 24
  Top Layer w0.254: v1(49.167,40.587) 49.22,40.587 49.26,40.627 49.676,40.627 49.687,40.638 J1.2@49.687,40.65
  Top Layer w0.3: D10.1@33.6,33.4 v1(33.637,33.437) 33.637,34.338 MAIN_DR1.3@33.675,34.375
  MiddleBottom Layer w0.254: v1(33.637,33.437) 33.637,35.113 34.1,35.575 39.73,35.575 40.23,35.075 48.018,35.075 49.13,36.187 49.13,40.576 v1@49.14,40.586
PWR_ENABLE_DRIVER2: D9.1 J2.2 MAIN_DR2.3 | length 39
  Top Layer w0.254: MAIN_DR2.3@22.275,26.85 22.275,26.094 23.1,25.269 v1(23.1,25.248) ; v1(34.215,30.425) 34.252,30.387 34.513,30.387 D9.1@34.675,30.225
  MiddleBottom Layer w0.254: v1(23.1,25.248) 23.153,25.248 23.257,25.144 29.92,25.144 31.278,26.502 31.578,26.502 34.858,29.782 ; v1(34.215,30.425) 34.858,29.782 ; v1@49.607,40.025 49.607,36.163 47.469,34.025 46.45,34.025 43.65,31.225 42.125,31.225 40.724,29.824 39.602,29.824 38.857,29.079 35.56,29.079 34.858,29.782
  other v1: 49.607,39.925
RX_INA: LUNA3.2 R39A.1 | length 26.7
  Top Layer w0.254: LUNA3.2@52.375,47.025 52.437,46.963 53.062,46.963 v1(53.1,46.925)
  MiddleBottom Layer w0.254: v1(40.088,28.6) 43.854,28.6 51.518,36.264 51.518,41.066 53.1,42.648 v1(53.1,46.925)
RX_INB: LUNA2.2 R39B.1 | length 33.3
  Top Layer w0.2: R39B.1@19.125,27.966 19.125,27.948 19.475,27.598 v1(19.475,27.575)
  Top Layer w0.254: LUNA2.2@2.525,7.925 2.452,7.998 2.174,7.998 1.711,8.462 1.711,9.636 3.3,11.225 v1(3.3,13.3)
  MiddleBottom Layer w0.254: v1(3.3,13.3) 3.275,13.325 3.275,20.391 9.635,26.752 18.652,26.752 v1(19.475,27.575)
RX_INC: LUNA4.2 R39C.1 | length 31.8
  Top Layer w0.254: v1(1.984,51.738) 2.549,52.302 3.177,52.302 LUNA4.2@3.25,52.375
  MiddleBottom Layer w0.254: v1(1.984,51.738) 1.984,39.141 11.096,30.029 15.261,30.029 v1(15.724,29.567)
RX_IND: LUNA1.2 R39D.1 | length 29.1
  Top Layer w0.2: LUNA1.2@54.325,10.325 54.89,10.325 55.1,10.115 v1(55.123,10.115)
  MiddleBottom Layer w0.254: v1(39.65,24.893) 40.498,24.893 42.08,26.475 47.9,26.475 49.3,25.075 49.3,16.5 55.123,10.677 v1(55.123,10.115)
RX_OUTA: C70A.1 IC1.37 R39A.2 | length 13.7
  Top Layer w0.2: IC1.37@27.371,27.035 28.631,25.775 29.505,25.775 32.03,28.3 38.691,28.3 C70A.1@38.691,27.875 ; 38.682,28.3 R39A.2@38.682,28.725
RX_OUTB: C70B.1 IC1.17 R39B.2 | length 5.4
  Top Layer w0.2: R39B.2@19.125,29.134 R39B.2@19.125,29.152 ; C70B.1@19.975,29.659 19.975,29.642 19.775,29.442 19.757,29.442 19.608,29.292 19.265,29.292 R39B.2@19.125,29.152 ; IC1.17@21.219,32.055 20.962,32.312 19.125,30.475 R39B.2@19.125,29.152
RX_OUTC: C70C.1 IC1.15 R39C.2 | length 8.6
  Top Layer w0.2: R39C.2@15.725,28.416 15.925,28.616 15.925,28.742 C70C.1@16.575,29.392 ; C70C.1@16.55,29.427 C70C.1@16.711,29.588 ; C70C.1@16.575,29.409 C70C.1@16.575,29.392 ; IC1.15@21.785,32.621 21.15,33.256 20.706,33.256 16.842,29.392 C70C.1@16.575,29.392
RX_OUTD: C70D.1 IC1.34 R39D.2 | length 14.9
  Top Layer w0.2: IC1.34@25.745,26.469 26.002,26.727 28.152,24.576 38.492,24.576 R39D.2@38.691,24.775
  Top Layer w0.3: R39D.2@38.691,24.775 38.703,24.763 38.703,23.938 C70D.1@38.716,23.925
START_MOD_IR_1: IC1.3 J3.1 | length 30.5
  Top Layer w0.2: v1(17.8,37.805) 18.255,37.35 20.64,37.35 20.642,37.352 20.791,37.352 21.216,37.777 23.408,37.777 23.976,37.209 23.985,37.209 IC1.3@25.179,36.015
  MiddleBottom Layer w0.254: v1(8.45,49.125) 7.332,48.007 7.332,46.085 7.882,45.535 7.882,44.026 6.775,42.919 6.775,40.365 9.31,37.83 17.775,37.83 v1(17.8,37.805)
START_MOD_IR_2: IC1.65 J4.1 | length 29.6
  Top Layer w0.2: IC1.65@27.654,35.732 28.175,36.253 28.175,36.395 28.439,36.658 29.004,36.658 29.208,36.862 29.208,37.758 29.38,37.93 39.669,37.93 39.819,37.78 v1(39.826,37.78)
  Bottom Layer w0.2: v1(39.826,37.78) 40.457,37.78 41.017,37.22 41.017,36.298 41.522,35.794 47.877,35.794 48.599,36.515 48.599,37.324 51.15,39.875 v1(52.175,39.875)
START_MOD_IR_3: IC1.30 IC7.1 | length 31.8
  Top Layer w0.2: v1(23.75,26.627) 24.232,27.109 24.232,27.219 IC1.30@24.613,27.601
  Top Layer w0.254: IC7.1@4,14.275 4,14.5 4.725,15.225 4.725,18.108 5.967,19.35 8.05,19.35 v1(8.575,19.875)
  MiddleTop Layer w0.2: v1(8.575,19.875) 8.575,19.942 8.75,20.117 8.75,25.358 9.367,25.975 14.812,25.975 15.91,27.074 21.936,27.074 22.759,26.25 23.375,26.25 23.75,26.625 v1(23.75,26.627)
SWCLK: IC1.52 PROG.4 | length 19.2
  MiddleBottom Layer w0.2: v1(13.675,34.525) 13.725,34.525 14.2,35 23.851,35 26.676,32.175 30.87,32.175 31.088,31.957 31.371,31.957 v1(31.419,31.909)
SWDIO: IC1.49 PROG.2 | length 25
  Top Layer w0.2: IC1.49@30.765,30.429 31.142,30.052 31.661,30.052 v1(32.034,30.425)
  MiddleBottom Layer w0.2: v1(11.7,35.175) 11.768,35.175 11.893,35.3 23.975,35.3 26.8,32.475 31.65,32.475 32.034,32.091 v1(32.034,30.425)
TX_INA: LUNA3.1 R38A.1 | length 2.5
  Top Layer w0.254: LUNA3.1@52.375,46.425 52.375,45.819 53.695,44.499 R38A.1@53.712,44.499
TX_INB: LUNA2.1 R38B.1 | length 1.6
  Top Layer w0.254: LUNA2.1@2.525,8.525 2.625,8.525 2.698,8.598 2.698,8.95 3.448,9.7 R38B.1@3.466,9.7
TX_INC: LUNA4.1 R38C.1 | length 2.1
  Top Layer w0.3: LUNA4.1@3.25,52.975 3.3,52.925 3.554,52.925 4.25,52.229 4.25,51.634 R38C.1@4.4,51.484
TX_IND: LUNA1.1 R38D.1 | length 5
  Top Layer w0.4: v1@55.46,13.26 55.817,13.617 55.817,13.875 55.917,13.975 R38D.1@55.934,13.975
  Bottom Layer w0.4: v1(54.24,9.667) 54.24,12.04 v1(55.45,13.25)
TX_OUTA: C25A.1 IC1.36 R38A.2 | length 39.4
  Top Layer w0.2: IC1.36@27.353,26.487 28.465,25.375 37.805,25.375 38.178,25.748 38.183,25.748 38.346,25.911 38.861,25.911 v1(40.025,27.075)
  Top Layer w0.254: R38A.2@52.541,44.625 52.714,44.452 52.923,44.452 53.352,44.023 C25A.1@53.536,44.023
  MiddleBottom Layer w0.254: v1(40.025,27.075) 40.498,27.548 43.623,27.548 52.702,36.627 52.702,41.278 53.7,42.276 v1(53.7,43.875)
TX_OUTB: C25B.1 IC1.16 R38B.2 | length 38
  Top Layer w0.2: v1(18.579,30.425) 18.626,30.473 18.626,30.676 20.789,32.839 21.002,32.839 21.195,32.645 IC1.16@21.502,32.338
  Top Layer w0.254: v1(3.95,11.65) 3.971,11.65 4.634,10.987 R38B.2@4.634,9.7 4.642,9.708 5.617,9.708 C25B.1@5.625,9.716
  MiddleBottom Layer w0.254: v1(3.95,11.65) 2.55,13.05 2.55,20.6 9.225,27.275 16.9,27.275 18.579,28.954 v1(18.579,30.425)
TX_OUTC: C25C.1 IC1.14 R38C.2 | length 37.2
  Top Layer w0.2: v1(5.225,34.9) 9.754,30.371 17.265,30.371 20.651,33.757 21.183,33.757 21.617,33.323 21.649,33.323 IC1.14@22.068,32.904
  Top Layer w0.254: v1(4.4,50.316) 4.416,50.3 C25C.1@5.366,50.3
  Bottom Layer w0.254: v1(4.4,50.316) 4.4,35.725 v1(5.225,34.9)
TX_OUTD: C25D.1 IC1.35 R38D.2 | length 37
  Top Layer w0.2: IC1.35@26.805,26.469 28.3,24.975 37.99,24.975 38.14,25.125 38.45,25.434 40.925,25.434 41.472,25.981 v1(43.025,25.981)
  Top Layer w0.4: R38D.2@54.766,13.975 C25D.1@54.766,15
  Bottom Layer w0.254: v1(43.025,25.981) 47.969,25.981 49.6,24.35 49.6,20.6 54.75,15.45 v1(54.75,15.025)
Vbat_IN_ADC: C45.1 IC1.20 R22.1 | length 44.6
  Top Layer w0.2: v1(19.768,30.405) 19.816,30.357 20.183,30.357 20.599,29.942 21.298,29.942 IC1.20@21.785,30.429
  Top Layer w0.254: v1(51.1,42.932) 51.115,42.917 R22.1@52.046,42.917 52.046,42.899 52.219,42.726 52.562,42.726 52.897,42.391 C45.1@52.915,42.391
  MiddleBottom Layer w0.254: v1(31.291,35.216) 32.004,35.929 40.222,35.929 40.685,35.467 47.909,35.467 48.66,36.217 48.66,41.204 50.388,42.932 v1(51.1,42.932)
  Bottom Layer w0.2: v1(19.768,30.405) 19.816,30.453 19.816,30.927 20.302,31.413 24.963,31.413 28.766,35.216 v1(31.291,35.216)
Vcap1: C1.1 C6.1 C11.1 C16.1 IC1.31 | length 6.3
  Top Layer w0.2: IC1.31@24.896,27.318 24.519,26.94 24.519,26.481 24.525,26.475 24.525,25.327 24.742,25.109 C6.1@25.45,25.109 C16.1@26.225,25.109 ; C16.1@26.225,25.092 C16.1@26.225,25.109 ; C11.1@28.068,23.925 28.051,23.925 27.851,24.125 27.851,24.133 27.559,24.425 26.875,25.109 C16.1@26.225,25.109
Vcap2: C2.1 C7.1 C12.1 C17.1 IC1.66 | length 6.6
  Top Layer w0.2: IC1.66@27.371,36.015 27.883,36.527 27.883,36.857 v1(27.931,36.905)
  Bottom Layer w0.2: C12.1@23.975,36.491 C2.1@24.75,36.491 24.75,36.508 24.95,36.708 24.967,36.708 25.425,37.166 26.375,37.166 ; C7.1@25.866,37.675 25.883,37.675 26.083,37.475 26.083,37.457 26.375,37.166 ; C17.1@27.9,36.516 27.931,36.546 27.931,36.929 27.863,36.929 27.627,37.166 26.375,37.166
Vcc: C23.1 C27.1 C28.2 IC3.3 Q2.5_8 R20.2 R32.2 | length 14.6
  MiddleBottom Layer w0.3: v1(51.9,19.125) 51.925,19.125 53.3,20.5 53.3,25.2 v1(53.9,25.8)
  Bottom Layer w0.3: v1(56.35,35.1) 56.35,35.141 56.425,35.216 56.425,41.959 56.35,42.034 v1(56.35,42.075)
  other v1: 54.5,25.8 55.1,25.8 55.7,25.8 53.9,26.5 54.5,26.5 55.1,26.5 55.7,26.5 54.9,34.4 54.9,35 54.9,35.6 53.8,36.3 54.5,36.3 55.2,36.3 55.9,36.3 54.5,37 55.2,37 55.9,37
Vin: D1.2 D2.2 Q1.1 Q1.2 Q1.3 Q2.1 Q2.2 Q2.3 R3.2 | length 1.7
  Top Layer w0.3: Q1.1@50.575,21.9 50.575,21.825 50.625,21.775 50.758,21.775 51.775,20.758 R3.2@51.775,20.741
pads on no net: FAN1.5 FAN1.6 IC1.2 IC1.4 IC1.24 IC1.26 IC1.45 IC1.53 IC1.55 IC1.56 IC3.2 IC5.9 IC6.5 J3.5 J3.6 J3.7 J3.8 J4.5 J4.6 J4.7 J4.8 LINE1.5 LINE1.6 LINE2.5 LINE2.6 LINE3.5 LINE3.6 LINE4.5 LINE4.6 LUNA1.5 LUNA1.6 LUNA2.5 LUNA2.6 LUNA3.5 LUNA3.6 LUNA4.5 LUNA4.6 M1.3 MAIN_DR1.5 MAIN_DR1.6 MAIN_DR2.5 MAIN_DR2.6 OLED1. OLED1.7 PROG.A PROG.B PROG_DR1.A PROG_DR1.B PROG_DR2.5 PROG_DR2.6 PROG_DR3.5 PROG_DR3.6 PROG_DR_1.A PROG_DR_1.B S1.7 S1.8 S1.GB1 S1.GB2 S2.1 S2.4

## Polygon pours and split planes (outlines as drawn)
GND on Top Layer "NONET_L-01_P-001" (solid, remove dead copper, pour order 21): -12,-5 -12,69 72,69 72,-7
Vcc on Top Layer "NONET_L-01_P-001" (solid, pour order 5): 53.475,37.35 53.5,37.375 56.675,37.375 56.675,22.975 56.6,22.9 53.575,22.9 53.575,23.625 52.55,24.65 49.45,24.65 49.45,27 49.475,27.025 51.925,27 53.651,32.475 54.45,32.631 54.45,35.575 53.9,36.125 53.45,36.125
NetQ1_5_8 on Top Layer "NONET_L-01_P-001" (solid, pour order 0): 47.866,0.349 47.879,21.168 48.354,21.168 50.873,21.168 50.811,0.362
3.3v on Top Layer "NONET_L-01_P-001" (solid, pour order 20): 25.3,36.825 26.025,36.1 26.075,36.1 26.275,36.3 26.475,36.1 26.6,36.1 27.325,36.825 27.3,36.85 27.3,38.1 25.275,38.1
5v on Top Layer "NONET_L-01_P-001" (solid, pour order 19): 46.725,25.75 51.175,30.2 51.175,35.4 50.025,35.4 50,35.425 45.375,30.8 45.375,29.509 44.816,28.95 44.85,28.917 44.85,25.725
5v on Top Layer "NONET_L-01_P-001" (solid, pour order 13): 49.99,33.889 49.995,33.893 51.207,33.893 51.207,35.436 51.862,36.091 53.06,36.091 53.06,37.325 49.996,37.325
NetC29_2 on Top Layer "NONET_L-01_P-001" (solid, pour order 12): 54.375,33.75 54.385,33.76 54.385,34.499 53.325,34.499 53.32,34.494 53.136,34.678 53.136,35.447 51.931,35.447 51.907,35.423 51.907,34.073 51.278,33.444 51.278,32.819 51.946,32.819 51.965,32.8 51.965,33.173 51.956,33.182 52.527,33.753 53.349,33.753
Vin on Top Layer "NONET_L-01_P-001" (solid, pour order 8): 49.05,21.6 49.05,23.775 49.5,24.225 51.25,24.225 51.25,21.45 51.625,21.075 52.075,21.075 52.075,20.4 52.1,20.375 51.475,20.375 51.45,20.4 51.45,20.925 50.8,21.575
3.3v on Top Layer "NONET_L-01_P-001" (solid, pour order 3): 42.411,27.151 43.586,27.151 43.586,28.101 44.561,29.076 44.561,30.376 42.386,30.376
3.3v on Top Layer "NONET_L-01_P-001" (solid, pour order 2): 30.925,31.25 31.078,31.403 31.552,31.403 31.774,31.181 31.774,30.775 31.596,30.597
3.3v on Top Layer "NONET_L-01_P-001" (solid, pour order 1): 32.175,31.55 33.575,31.55 33.575,30.95 33.55,30.925 32.175,30.925
GND on Bottom Layer "NONET_L-01_P-001" (solid, remove dead copper, pour order 18): -11,-7 -11,75 -14,78 -11,81 64,81 64,-2 70,-8
NetQ1_5_8 on Bottom Layer "NONET_L-01_P-001" (solid, pour order 7): 47.887,0.356 47.9,21.175 48.375,21.175 50.894,21.175 50.832,0.369
Vcc on Bottom Layer "NONET_L-01_P-001" (solid, pour order 9): 53.5,22.8 56.7,22.8 56.7,37.3 53.6,37.3 53.6,36.4 54.5,35.5 54.5,32.7 53.5,32.7
I2C_OLED_SDA on Bottom Layer "NONET_L-01_P-001" (solid, pour order 23): 31.1,30 32.2,30 32.2,28 31.1,28
3.3v on Bottom Layer "NONET_L-01_P-001" (solid, pour order 10): 42.419,27.925 43.6,27.925 43.6,28.1 44.575,29.075 44.575,30.375 42.4,30.375
5v on Bottom Layer "NONET_L-01_P-001" (solid, pour order 17): 44.825,28.5 44.85,28.475 44.85,27.375 46.675,27.375 46.725,27.425 46.725,28.65
3.3v on Bottom Layer "NONET_L-01_P-001" (solid, pour order 16): 44.575,29.633 44.842,29.9 46.2,29.9 46.2,30.7 45.65,31.25 45.65,31.525 45.35,31.525 45.325,31.55 45.325,30.85 44.85,30.375 44.575,30.375
5v on Bottom Layer "NONET_L-01_P-001" (solid, pour order 11): 51.175,31.95 51.1,32.025 50.5,32.025 49.45,33.075 49.45,33.175 51.175,34.9 51.35,34.725 51.35,33.725 51.2,33.575 51.2,31.975
GND on MiddleTop Layer "NONET_L-01_P-001" (solid, remove dead copper, pour order 14): -7,-2 -7,63 -6,64 67,64 67,0 63,-4
NetQ1_5_8 on MiddleTop Layer "NONET_L-01_P-001" (solid, pour order 4): 47.862,0.356 47.875,21.175 48.35,21.175 50.869,21.175 50.807,0.369
no net on Bottom Overlay "NONET_L-01_P-001" (solid): 19.175,11.575 19.525,11.225 22.075,11.225 29.075,18.225
GND on MiddleBottom Layer "NONET_L-01_P-001" (solid, remove dead copper, pour order 22): -5,-2 -3,0 -3,63 63,63 61,61 61,-3
NetQ1_5_8 on MiddleBottom Layer "NONET_L-01_P-001" (solid, pour order 15): 47.862,0.331 47.875,21.15 48.35,21.15 50.869,21.15 50.807,0.344

## Silkscreen, mask and mechanical layers (free items; w line width, h text height)
Top Overlay:
  text "GND / 3.3 / IN1 / IN2" at 48.2,54.3 h1
  text "GND / 5v / RX / TX" at 48.2,49.6 h1
  text "IN1 / IN2 / 3.3 / G-" at 0.675,40.125 h1
  text "IR->" at 48.675,39.275 h1 r45
  text "TX / RX / 5V / G-" at 2.075,39 h1
  text "5v EGND" at 16.9,37.4 h1
  text "G- / ON / CH / CL" at 35.2,36.9 h1 r90
  text "IR->" at 7.246,36.498 h1 r45
  text "C G D R" at 37.2,33.4 h1
  text "RST.DIO.GND.CLK" at 41.5,31 h1
  text "C G D R" at 9.7,30.1 h1.5
  text "G- / ON / CH / CL" at 20.7,24.6 h1 r270
  text "R D G C" at 16.2,24.1 h1
  text "." at 0.4,14.698 h3
  text "IR->" at 2.421,11.923 h1 r45
  text "GND" at 53.809,2.2 h1 r270
  text "_" at 54.391,2.122 h5 r270
Bottom Overlay:
  drawing of 47 lines, arcs and shapes, not listed
  text "IR      3.3v /  / GND GND" at 8.9,46.3 h2
  text "IR      3.3v /  / GND GND" at 56.6,38.3 h2
  text "HackClub: Forge" at 51.75,37.55 h2 r90
  text "ROBOILO" at 55.175,35.1 h2 r90
  text "Turbo Evangelion controller rev1.0.0 / by Szymon Filipkowski" at 41.864,30.99 h2
  text "<---" at 17.346,27.6 h2 r90
  text "<---" at 40.422,27.55 h2 r90
  text "IR 3.3v / -GND-" at 4.1,11.6 h1.5
Mechanical 1:
  drawing of 660 lines, arcs and shapes, not listed